# KiCad board Ortholith.kicad_pcb
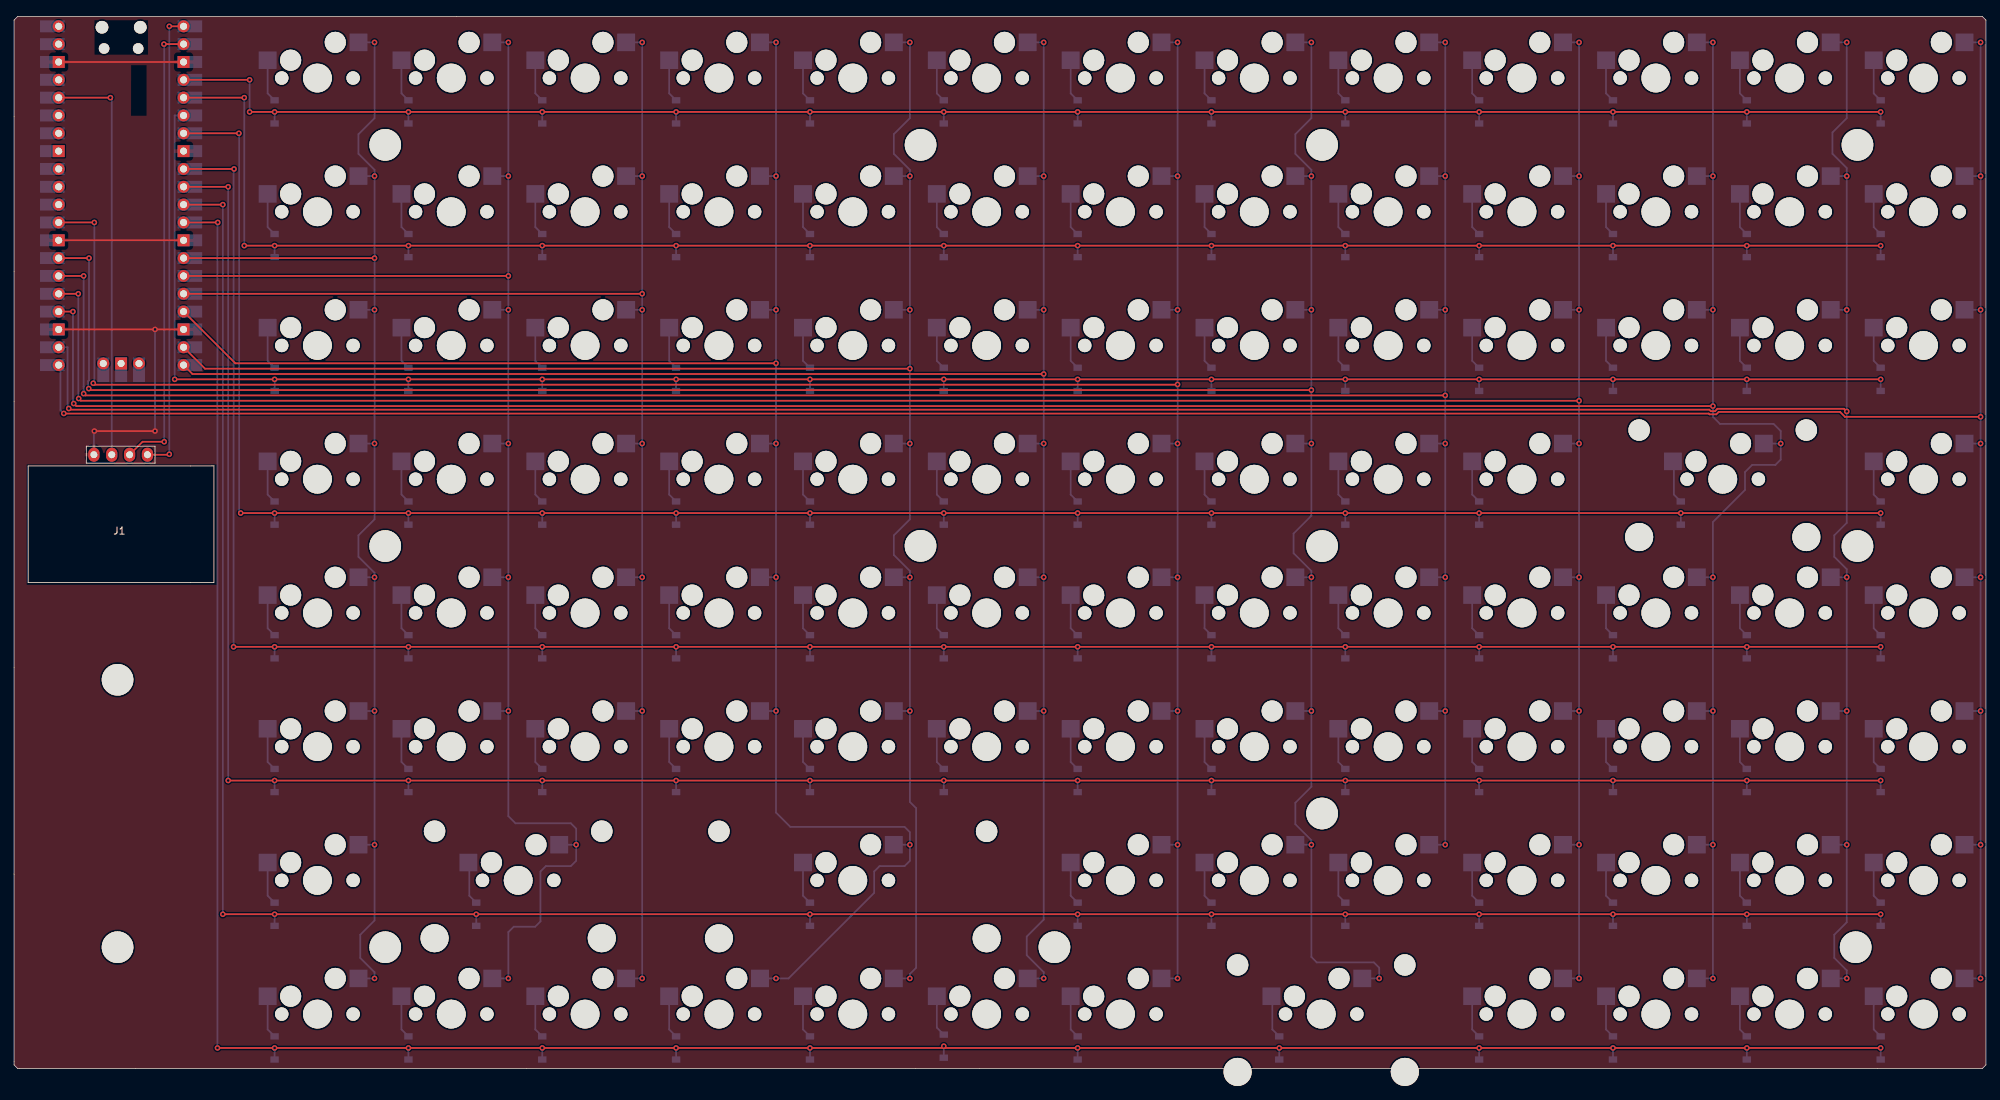
[diagram p0: board, top side]
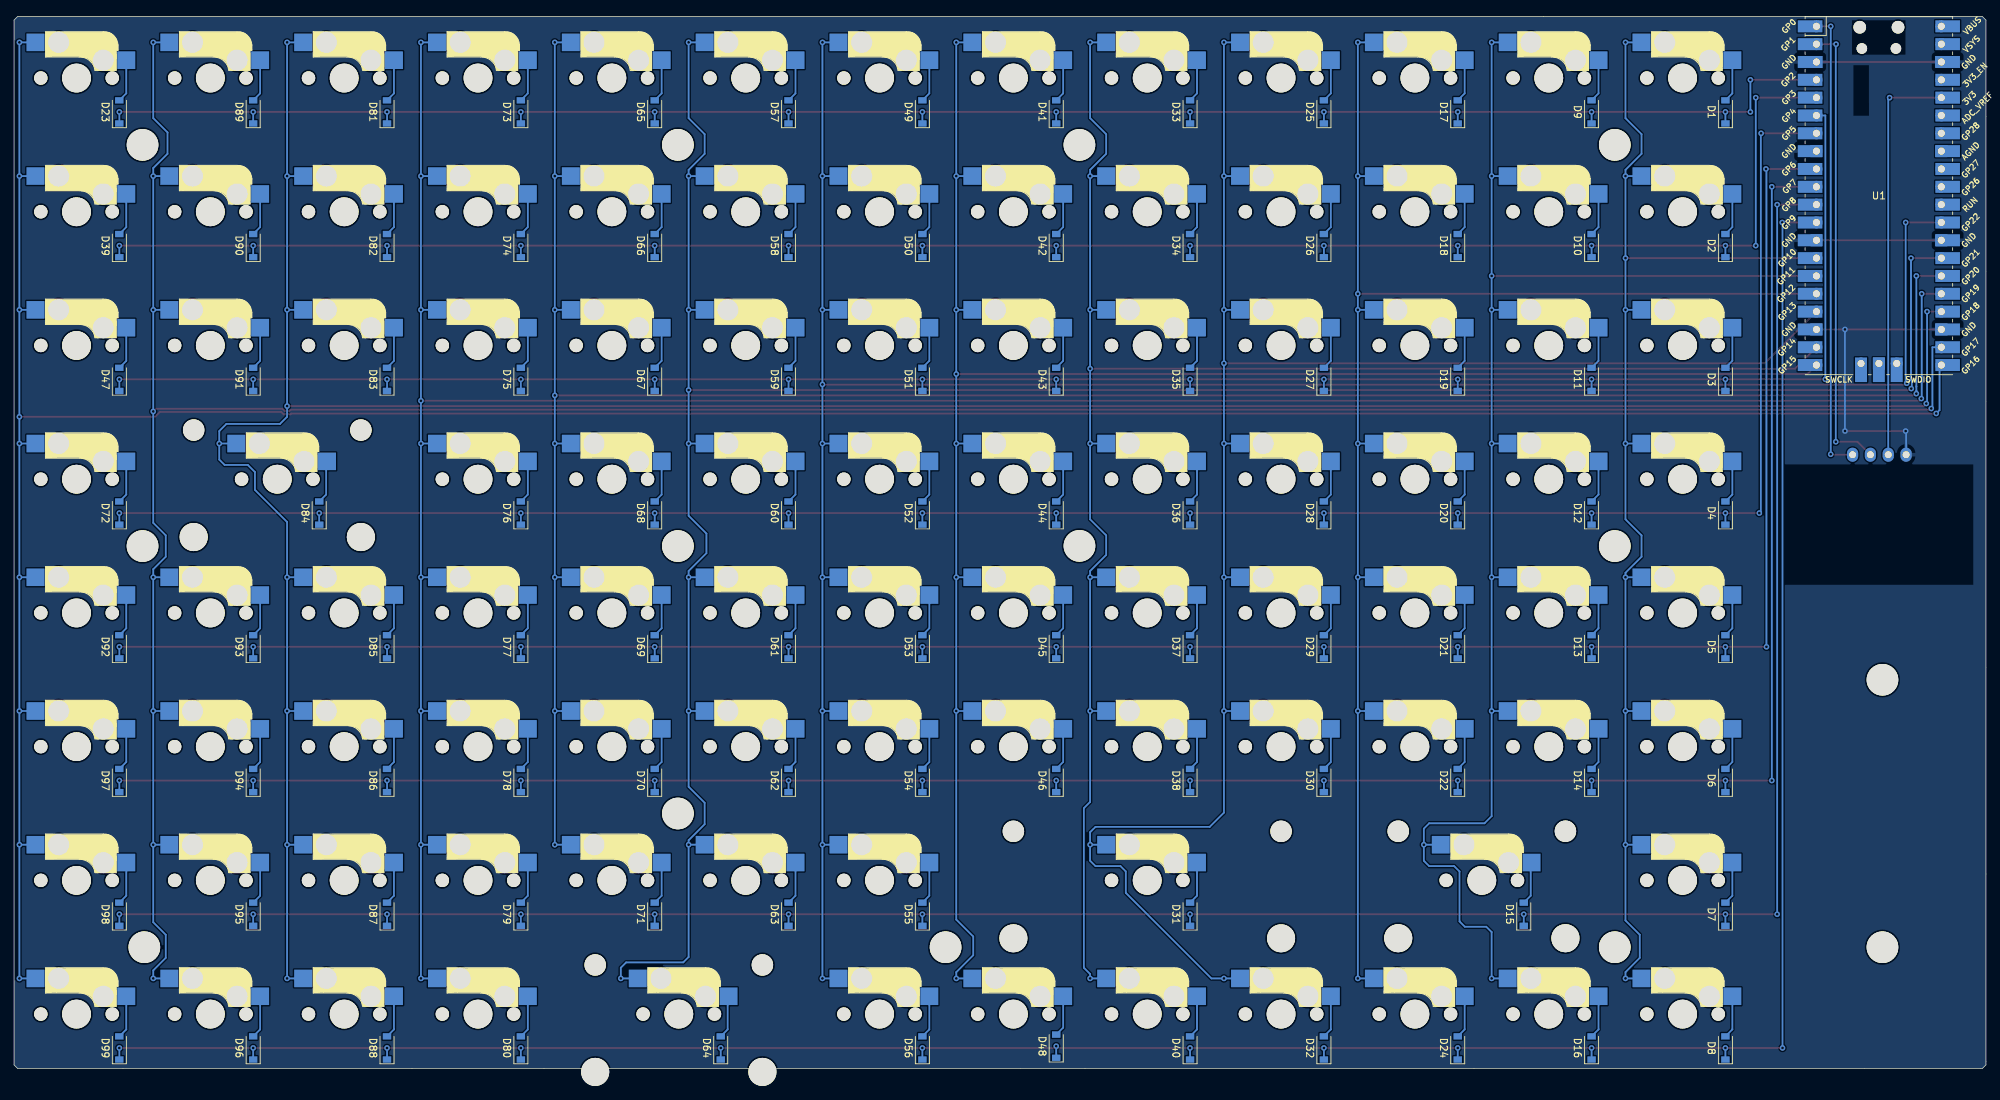
[diagram p1: board, bottom side, seen from below]

Outline 280.67 x 149.86 mm; copper layers: Top, Bottom. Coordinates in mm from the lower left corner of the outline.
Outline path: 0,149.35 0,0.51 0.51,0 280.16,0 280.67,0.51 280.67,149.35 280.16,149.86 0.51,149.86 0,149.35

## Placement (name value [footprint] x y rotation side)
D1  1N4148W  [D_SOD-123]  37.08 136.27 90 bottom
D2  1N4148W  [D_SOD-123]  37.08 117.22 90 bottom
D3  1N4148W  [D_SOD-123]  37.08 98.17 90 bottom
D4  1N4148W  [D_SOD-123]  37.08 79.12 90 bottom
D5  1N4148W  [D_SOD-123]  37.08 60.07 90 bottom
D6  1N4148W  [D_SOD-123]  37.08 41.02 90 bottom
D7  1N4148W  [D_SOD-123]  37.08 21.97 90 bottom
D8  1N4148W  [D_SOD-123]  37.08 2.92 90 bottom
D9  1N4148W  [D_SOD-123]  56.13 136.27 90 bottom
D10  1N4148W  [D_SOD-123]  56.13 117.22 90 bottom
D11  1N4148W  [D_SOD-123]  56.13 98.17 90 bottom
D12  1N4148W  [D_SOD-123]  56.13 79.12 90 bottom
D13  1N4148W  [D_SOD-123]  56.13 60.07 90 bottom
D14  1N4148W  [D_SOD-123]  56.13 41.02 90 bottom
D15  1N4148W  [D_SOD-123]  65.79 21.97 90 bottom
D16  1N4148W  [D_SOD-123]  56.13 2.92 90 bottom
D17  1N4148W  [D_SOD-123]  75.18 136.27 90 bottom
D18  1N4148W  [D_SOD-123]  75.18 117.22 90 bottom
D19  1N4148W  [D_SOD-123]  75.18 98.17 90 bottom
D20  1N4148W  [D_SOD-123]  75.18 79.12 90 bottom
D21  1N4148W  [D_SOD-123]  75.18 60.07 90 bottom
D22  1N4148W  [D_SOD-123]  75.18 41.02 90 bottom
D23  1N4148W  [D_SOD-123]  265.68 136.27 90 bottom
D24  1N4148W  [D_SOD-123]  75.18 2.92 90 bottom
D25  1N4148W  [D_SOD-123]  94.23 136.27 90 bottom
D26  1N4148W  [D_SOD-123]  94.23 117.22 90 bottom
D27  1N4148W  [D_SOD-123]  94.23 98.17 90 bottom
D28  1N4148W  [D_SOD-123]  94.23 79.12 90 bottom
D29  1N4148W  [D_SOD-123]  94.23 60.07 90 bottom
D30  1N4148W  [D_SOD-123]  94.23 41.02 90 bottom
D31  1N4148W  [D_SOD-123]  113.28 21.97 90 bottom
D32  1N4148W  [D_SOD-123]  94.23 2.92 90 bottom
D33  1N4148W  [D_SOD-123]  113.28 136.27 90 bottom
D34  1N4148W  [D_SOD-123]  113.28 117.22 90 bottom
D35  1N4148W  [D_SOD-123]  113.28 98.17 90 bottom
D36  1N4148W  [D_SOD-123]  113.28 79.12 90 bottom
D37  1N4148W  [D_SOD-123]  113.28 60.07 90 bottom
D38  1N4148W  [D_SOD-123]  113.28 41.02 90 bottom
D39  1N4148W  [D_SOD-123]  265.68 117.22 90 bottom
D40  1N4148W  [D_SOD-123]  113.28 2.92 90 bottom
D41  1N4148W  [D_SOD-123]  132.33 136.27 90 bottom
D42  1N4148W  [D_SOD-123]  132.33 117.22 90 bottom
D43  1N4148W  [D_SOD-123]  132.33 98.17 90 bottom
D44  1N4148W  [D_SOD-123]  132.33 79.12 90 bottom
D45  1N4148W  [D_SOD-123]  132.33 60.07 90 bottom
D46  1N4148W  [D_SOD-123]  132.33 41.02 90 bottom
D47  1N4148W  [D_SOD-123]  265.68 98.17 90 bottom
D48  1N4148W  [D_SOD-123]  132.33 3.17 90 bottom
D49  1N4148W  [D_SOD-123]  151.38 136.27 90 bottom
D50  1N4148W  [D_SOD-123]  151.38 117.22 90 bottom
D51  1N4148W  [D_SOD-123]  151.38 98.17 90 bottom
D52  1N4148W  [D_SOD-123]  151.38 79.12 90 bottom
D53  1N4148W  [D_SOD-123]  151.38 60.07 90 bottom
D54  1N4148W  [D_SOD-123]  151.38 41.02 90 bottom
D55  1N4148W  [D_SOD-123]  151.38 21.97 90 bottom
D56  1N4148W  [D_SOD-123]  151.38 2.92 90 bottom
D57  1N4148W  [D_SOD-123]  170.43 136.27 90 bottom
D58  1N4148W  [D_SOD-123]  170.43 117.22 90 bottom
D59  1N4148W  [D_SOD-123]  170.43 98.17 90 bottom
D60  1N4148W  [D_SOD-123]  170.43 79.12 90 bottom
D61  1N4148W  [D_SOD-123]  170.43 60.07 90 bottom
D62  1N4148W  [D_SOD-123]  170.43 41.02 90 bottom
D63  1N4148W  [D_SOD-123]  170.43 21.97 90 bottom
D64  1N4148W  [D_SOD-123]  180.09 2.92 90 bottom
D65  1N4148W  [D_SOD-123]  189.48 136.27 90 bottom
D66  1N4148W  [D_SOD-123]  189.48 117.22 90 bottom
D67  1N4148W  [D_SOD-123]  189.48 98.17 90 bottom
D68  1N4148W  [D_SOD-123]  189.48 79.12 90 bottom
D69  1N4148W  [D_SOD-123]  189.48 60.07 90 bottom
D70  1N4148W  [D_SOD-123]  189.48 41.02 90 bottom
D71  1N4148W  [D_SOD-123]  189.48 21.97 90 bottom
D72  1N4148W  [D_SOD-123]  265.68 79.12 90 bottom
D73  1N4148W  [D_SOD-123]  208.53 136.27 90 bottom
D74  1N4148W  [D_SOD-123]  208.53 117.22 90 bottom
D75  1N4148W  [D_SOD-123]  208.53 98.17 90 bottom
D76  1N4148W  [D_SOD-123]  208.53 79.12 90 bottom
D77  1N4148W  [D_SOD-123]  208.53 60.07 90 bottom
D78  1N4148W  [D_SOD-123]  208.53 41.02 90 bottom
D79  1N4148W  [D_SOD-123]  208.53 21.97 90 bottom
D80  1N4148W  [D_SOD-123]  208.53 2.92 90 bottom
D81  1N4148W  [D_SOD-123]  227.58 136.27 90 bottom
D82  1N4148W  [D_SOD-123]  227.58 117.22 90 bottom
D83  1N4148W  [D_SOD-123]  227.58 98.17 90 bottom
D84  1N4148W  [D_SOD-123]  237.24 79.12 90 bottom
D85  1N4148W  [D_SOD-123]  227.58 60.07 90 bottom
D86  1N4148W  [D_SOD-123]  227.58 41.02 90 bottom
D87  1N4148W  [D_SOD-123]  227.58 21.97 90 bottom
D88  1N4148W  [D_SOD-123]  227.58 2.92 90 bottom
D89  1N4148W  [D_SOD-123]  246.63 136.27 90 bottom
D90  1N4148W  [D_SOD-123]  246.63 117.22 90 bottom
D91  1N4148W  [D_SOD-123]  246.63 98.17 90 bottom
D92  1N4148W  [D_SOD-123]  265.68 60.07 90 bottom
D93  1N4148W  [D_SOD-123]  246.63 60.07 90 bottom
D94  1N4148W  [D_SOD-123]  246.63 41.02 90 bottom
D95  1N4148W  [D_SOD-123]  246.63 21.97 90 bottom
D96  1N4148W  [D_SOD-123]  246.63 2.92 90 bottom
D97  1N4148W  [D_SOD-123]  265.68 41.02 90 bottom
D98  1N4148W  [D_SOD-123]  265.68 21.97 90 bottom
D99  1N4148W  [D_SOD-123]  265.68 2.92 90 bottom
G***  -  [LOGO]  15.49 37.59 0 top
G***#2  -  [LOGO]  14.48 37.59 180 bottom
J1  OLED  [128x64OLED]  14.99 76.83 0 top
REF**  -  [SW_Cherry_MX_2.00u_PCB]  188.59 12.83 0 top
REF**#2  -  [MountingHole_4.5mm]  262.13 17.27 0 top
REF**#3  -  [MountingHole_4.5mm]  186.18 131.57 0 top
REF**#4  -  [MountingHole_4.5mm]  14.73 55.37 0 top
REF**#5  -  [SW_Cherry_MX_2.00u_PCB]  245.75 89.03 0 top
REF**#6  -  [MountingHole_4.5mm]  129.03 131.57 0 top
REF**#7  -  [MountingHole_4.5mm]  186.18 74.42 0 top
REF**#8  -  [MountingHole_4.5mm]  14.73 17.27 0 top
REF**#9  3U  [MXOnly-3U]  119.38 26.8 0 top
REF**#10  -  [MountingHole_4.5mm]  148.08 17.27 0 top
REF**#11  -  [SW_Cherry_MX_2.00u_PCB]  74.3 31.88 0 top
REF**#12  -  [MountingHole_4.5mm]  262.38 74.42 0 top
REF**#13  -  [MountingHole_4.5mm]  52.83 17.27 0 top
REF**#14  -  [MountingHole_4.5mm]  262.38 131.57 0 top
REF**#15  -  [MountingHole_4.5mm]  52.83 74.42 0 top
REF**#16  -  [MountingHole_4.5mm]  186.18 36.32 0 top
REF**#17  -  [MountingHole_4.5mm]  52.83 131.57 0 top
REF**#18  -  [MountingHole_4.5mm]  129.03 74.45 0 top
SW1  1U  [CherryMX_Hotswap]  43.18 141.1 0 top
SW2  1U  [CherryMX_Hotswap]  43.18 122.05 0 top
SW3  1U  [CherryMX_Hotswap]  43.18 103 0 top
SW4  1U  [CherryMX_Hotswap]  43.18 83.95 0 top
SW5  1U  [CherryMX_Hotswap]  43.18 64.9 0 top
SW6  1U  [CherryMX_Hotswap]  43.18 45.85 0 top
SW7  1U  [CherryMX_Hotswap]  43.18 26.8 0 top
SW8  1U  [CherryMX_Hotswap]  43.18 7.75 0 top
SW9  1U  [CherryMX_Hotswap]  62.23 141.1 0 top
SW10  1U  [CherryMX_Hotswap]  62.23 122.05 0 top
SW11  1U  [CherryMX_Hotswap]  62.23 103 0 top
SW12  1U  [CherryMX_Hotswap]  62.23 83.95 0 top
SW13  1U  [CherryMX_Hotswap]  62.23 64.9 0 top
SW14  1U  [CherryMX_Hotswap]  62.23 45.85 0 top
SW15  1U  [CherryMX_Hotswap]  271.78 141.1 0 top
SW15-2u1  2U  [CherryMX_Hotswap]  71.75 26.8 0 top
SW16  1U  [CherryMX_Hotswap]  62.23 7.75 0 top
SW17  1U  [CherryMX_Hotswap]  81.28 141.1 0 top
SW18  1U  [CherryMX_Hotswap]  81.28 122.05 0 top
SW19  1U  [CherryMX_Hotswap]  81.28 103 0 top
SW20  1U  [CherryMX_Hotswap]  81.28 83.95 0 top
SW21  1U  [CherryMX_Hotswap]  81.28 64.9 0 top
SW22  1U  [CherryMX_Hotswap]  81.28 45.85 0 top
SW23  1U  [CherryMX_Hotswap]  271.78 122.05 0 top
SW24  1U  [CherryMX_Hotswap]  81.28 7.75 0 top
SW25  1U  [CherryMX_Hotswap]  100.33 141.1 0 top
SW26  1U  [CherryMX_Hotswap]  100.33 122.05 0 top
SW27  1U  [CherryMX_Hotswap]  100.33 103 0 top
SW28  1U  [CherryMX_Hotswap]  100.33 83.95 0 top
SW29  1U  [CherryMX_Hotswap]  100.33 64.9 0 top
SW30  1U  [CherryMX_Hotswap]  100.33 45.85 0 top
SW31  1U  [CherryMX_Hotswap]  271.78 103 0 top
SW31-3U1  3U  [CherryMX_Hotswap]  119.38 26.8 0 top
SW32  1U  [CherryMX_Hotswap]  100.33 7.75 0 top
SW33  1U  [CherryMX_Hotswap]  119.38 141.1 0 top
SW34  1U  [CherryMX_Hotswap]  119.38 122.05 0 top
SW35  1U  [CherryMX_Hotswap]  119.38 103 0 top
SW36  1U  [CherryMX_Hotswap]  119.38 83.95 0 top
SW37  1U  [CherryMX_Hotswap]  119.38 64.9 0 top
SW38  1U  [CherryMX_Hotswap]  119.38 45.85 0 top
SW39  1U  [CherryMX_Hotswap]  271.78 83.95 0 top
SW40  1U  [CherryMX_Hotswap]  119.38 7.75 0 top
SW41  1U  [CherryMX_Hotswap]  138.43 141.1 0 top
SW42  1U  [CherryMX_Hotswap]  138.43 122.05 0 top
SW43  1U  [CherryMX_Hotswap]  138.43 103 0 top
SW44  1U  [CherryMX_Hotswap]  138.43 83.95 0 top
SW45  1U  [CherryMX_Hotswap]  138.43 64.9 0 top
SW46  1U  [CherryMX_Hotswap]  138.43 45.85 0 top
SW47  1U  [CherryMX_Hotswap]  271.78 64.9 0 top
SW48  1U  [CherryMX_Hotswap]  138.43 7.75 0 top
SW49  1U  [CherryMX_Hotswap]  157.48 141.1 0 top
SW50  1U  [CherryMX_Hotswap]  157.48 122.05 0 top
SW51  1U  [CherryMX_Hotswap]  157.48 103 0 top
SW52  1U  [CherryMX_Hotswap]  157.48 83.95 0 top
SW53  1U  [CherryMX_Hotswap]  157.48 64.9 0 top
SW54  1U  [CherryMX_Hotswap]  157.48 45.85 0 top
SW55  1U  [CherryMX_Hotswap]  157.48 26.8 0 top
SW56  1U  [CherryMX_Hotswap]  157.48 7.75 0 top
SW57  1U  [CherryMX_Hotswap]  176.53 141.1 0 top
SW58  1U  [CherryMX_Hotswap]  176.53 122.05 0 top
SW59  1U  [CherryMX_Hotswap]  176.53 103 0 top
SW60  1U  [CherryMX_Hotswap]  176.53 83.95 0 top
SW61  1U  [CherryMX_Hotswap]  176.53 64.9 0 top
SW62  1U  [CherryMX_Hotswap]  176.53 45.85 0 top
SW63  1U  [CherryMX_Hotswap]  176.53 26.8 0 top
SW64  1U  [CherryMX_Hotswap]  271.78 45.85 0 top
SW64-2U1  2U  [CherryMX_Hotswap]  186.06 7.75 0 top
SW65  1U  [CherryMX_Hotswap]  195.58 141.1 0 top
SW66  1U  [CherryMX_Hotswap]  195.58 122.05 0 top
SW67  1U  [CherryMX_Hotswap]  195.58 103 0 top
SW68  1U  [CherryMX_Hotswap]  195.58 83.95 0 top
SW69  1U  [CherryMX_Hotswap]  195.58 64.9 0 top
SW70  1U  [CherryMX_Hotswap]  195.58 45.85 0 top
SW71  1U  [CherryMX_Hotswap]  195.58 26.8 0 top
SW72  1U  [CherryMX_Hotswap]  271.78 26.8 0 top
SW73  1U  [CherryMX_Hotswap]  214.63 141.1 0 top
SW74  1U  [CherryMX_Hotswap]  214.63 122.05 0 top
SW75  1U  [CherryMX_Hotswap]  214.63 103 0 top
SW76  1U  [CherryMX_Hotswap]  214.63 83.95 0 top
SW77  1U  [CherryMX_Hotswap]  214.63 64.9 0 top
SW78  1U  [CherryMX_Hotswap]  214.63 45.85 0 top
SW79  1U  [CherryMX_Hotswap]  214.63 26.8 0 top
SW80  1U  [CherryMX_Hotswap]  214.63 7.75 0 top
SW81  1U  [CherryMX_Hotswap]  233.68 141.1 0 top
SW82  1U  [CherryMX_Hotswap]  233.68 122.05 0 top
SW83  1U  [CherryMX_Hotswap]  233.68 103 0 top
SW84  1U  [CherryMX_Hotswap]  271.78 7.75 0 top
SW84-2U1  2U  [CherryMX_Hotswap]  243.2 83.95 0 top
SW85  1U  [CherryMX_Hotswap]  233.68 64.9 0 top
SW86  1U  [CherryMX_Hotswap]  233.68 45.85 0 top
SW87  1U  [CherryMX_Hotswap]  233.68 26.8 0 top
SW88  1U  [CherryMX_Hotswap]  233.68 7.75 0 top
SW89  1U  [CherryMX_Hotswap]  252.73 141.1 0 top
SW90  1U  [CherryMX_Hotswap]  252.73 122.05 0 top
SW91  1U  [CherryMX_Hotswap]  252.73 103 0 top
SW93  1U  [CherryMX_Hotswap]  252.73 64.9 0 top
SW94  1U  [CherryMX_Hotswap]  252.73 45.85 0 top
SW95  1U  [CherryMX_Hotswap]  252.73 26.8 0 top
SW96  1U  [CherryMX_Hotswap]  252.73 7.75 0 top
U1  Pico  [RPi_Pico_SMD_TH]  15.24 124.33 180 bottom

## Library data of the parts
D1-D99 = -: LCSC: C81598

## Footprints (pads in the part's own frame, mm; a bottom-side part is the same pattern mirrored in y, then rotated)
128x64OLED
  oval 1.6x2 hole 1: 1(-3.62,10.6) 2(-1.08,10.6) 3(1.46,10.6) 4(4,10.6)
CherryMX_Hotswap
  round 1.9 hole 1.9 unplated: (-5.08,0) (5.08,0)
  round 3 hole 3 unplated: (-3.81,2.54) (2.54,5.08)
  round 4.1 hole 4.1 unplated: (0,0)
  rect 2.55x2.5 smd far side: 1(-7.085,2.54) 2(5.842,5.08)
D_SOD-123
  rect 0.9x1.2 smd: 1(-1.65,0) 2(1.65,0)
MountingHole_4.5mm
  round 4.5 hole 4.5 unplated: (0,0)
MXOnly-3U
  round 3.048 hole 3.048 unplated: (-19.05,6.985) (19.05,6.985)
  round 3.988 hole 3.988 unplated: (-19.05,-8.255) (19.05,-8.255)
RPi_Pico_SMD_TH
  oval 1.8x1.8 hole 1.8 unplated: (-2.725,24) (2.725,24)
  oval 1.5x1.5 hole 1.5 unplated: (-2.425,20.97) (2.425,20.97)
  oval 1.7x1.7 hole 1.02: 1(-8.89,24.13) 2(-8.89,21.59) 4(-8.89,16.51) 5(-8.89,13.97) 6(-8.89,11.43) 7(-8.89,8.89) 9(-8.89,3.81) 10(-8.89,1.27) 11(-8.89,-1.27) 12(-8.89,-3.81) 14(-8.89,-8.89) 15(-8.89,-11.43) 16(-8.89,-13.97) 17(-8.89,-16.51) 19(-8.89,-21.59) 20(-8.89,-24.13) 21(8.89,-24.13) 22(8.89,-21.59) 24(8.89,-16.51) 25(8.89,-13.97) 26(8.89,-11.43) 27(8.89,-8.89) 29(8.89,-3.81) 30(8.89,-1.27) 31(8.89,1.27) 32(8.89,3.81) 34(8.89,8.89) 35(8.89,11.43) 36(8.89,13.97) 37(8.89,16.51) 39(8.89,21.59) 40(8.89,24.13) 41(-2.54,-23.9) 43(2.54,-23.9)
  rect 3.5x1.7 smd: 1(-8.89,24.13) 2(-8.89,21.59) 3(-8.89,19.05) 4(-8.89,16.51) 5(-8.89,13.97) 6(-8.89,11.43) 7(-8.89,8.89) 8(-8.89,6.35) 9(-8.89,3.81) 10(-8.89,1.27) 11(-8.89,-1.27) 12(-8.89,-3.81) 13(-8.89,-6.35) 14(-8.89,-8.89) 15(-8.89,-11.43) 16(-8.89,-13.97) 17(-8.89,-16.51) 18(-8.89,-19.05) 19(-8.89,-21.59) 20(-8.89,-24.13) 21(8.89,-24.13) 22(8.89,-21.59) 23(8.89,-19.05) 24(8.89,-16.51) 25(8.89,-13.97) 26(8.89,-11.43) 27(8.89,-8.89) 28(8.89,-6.35) 29(8.89,-3.81) 30(8.89,-1.27) 31(8.89,1.27) 32(8.89,3.81) 33(8.89,6.35) 34(8.89,8.89) 35(8.89,11.43) 36(8.89,13.97) 37(8.89,16.51) 38(8.89,19.05) 39(8.89,21.59) 40(8.89,24.13)
  rect 1.7x1.7 hole 1.02: 3(-8.89,19.05) 8(-8.89,6.35) 13(-8.89,-6.35) 18(-8.89,-19.05) 23(8.89,-19.05) 28(8.89,-6.35) 33(8.89,6.35) 38(8.89,19.05) 42(0,-23.9)
  rect 1.7x3.5 smd: 41(-2.54,-23.9) 42(0,-23.9) 43(2.54,-23.9)
SW_Cherry_MX_2.00u_PCB
  round 3.05 hole 3.05 unplated: (-14.44,1.92) (9.36,1.92)
  round 4 hole 4 unplated: (-14.44,-13.32) (9.36,-13.32)

## Nets
3V3: J1.2 U1.36
GND: J1.1 U1.3 U1.8 U1.13 U1.18 U1.23 U1.28 U1.38
Col0: SW1.2 SW2.2 SW3.2 SW4.2 SW5.2 SW6.2 SW7.2 SW8.2 U1.14
Col1: SW9.2 SW10.2 SW11.2 SW12.2 SW13.2 SW14.2 SW15-2u1.2 SW16.2 U1.15
Col2: SW17.2 SW18.2 SW19.2 SW20.2 SW21.2 SW22.2 SW24.2 U1.16
Col3: SW25.2 SW26.2 SW27.2 SW28.2 SW29.2 SW30.2 SW31-3U1.2 SW32.2 U1.17
Col4: SW33.2 SW34.2 SW35.2 SW36.2 SW37.2 SW38.2 SW40.2 U1.19
Col5: SW41.2 SW42.2 SW43.2 SW44.2 SW45.2 SW46.2 SW48.2 U1.20
Col6: SW49.2 SW50.2 SW51.2 SW52.2 SW53.2 SW54.2 SW55.2 SW56.2 U1.29
Col7: SW57.2 SW58.2 SW59.2 SW60.2 SW61.2 SW62.2 SW63.2 SW64-2U1.2 U1.27
Col8: SW65.2 SW66.2 SW67.2 SW68.2 SW69.2 SW70.2 SW71.2 U1.26
Col9: SW73.2 SW74.2 SW75.2 SW76.2 SW77.2 SW78.2 SW79.2 SW80.2 U1.25
Col10: SW81.2 SW82.2 SW83.2 SW84-2U1.2 SW85.2 SW86.2 SW87.2 SW88.2 U1.24
Col11: SW89.2 SW90.2 SW91.2 SW93.2 SW94.2 SW95.2 SW96.2 U1.22
Col12: SW15.2 SW23.2 SW31.2 SW39.2 SW47.2 SW64.2 SW72.2 SW84.2 U1.21
Row0: D1.1 D9.1 D17.1 D23.1 D25.1 D33.1 D41.1 D49.1 D57.1 D65.1 D73.1 D81.1 D89.1 U1.4
Row1: D2.1 D10.1 D18.1 D26.1 D34.1 D39.1 D42.1 D50.1 D58.1 D66.1 D74.1 D82.1 D90.1 U1.5
Row2: D3.1 D11.1 D19.1 D27.1 D35.1 D43.1 D47.1 D51.1 D59.1 D67.1 D75.1 D83.1 D91.1 U1.6
Row3: D4.1 D12.1 D20.1 D28.1 D36.1 D44.1 D52.1 D60.1 D68.1 D72.1 D76.1 D84.1 U1.7
Row4: D5.1 D13.1 D21.1 D29.1 D37.1 D45.1 D53.1 D61.1 D69.1 D77.1 D85.1 D92.1 D93.1 U1.9
Row5: D6.1 D14.1 D22.1 D30.1 D38.1 D46.1 D54.1 D62.1 D70.1 D78.1 D86.1 D94.1 D97.1 U1.10
Row6: D7.1 D15.1 D31.1 D55.1 D63.1 D71.1 D79.1 D87.1 D95.1 D98.1 U1.11
Row7: D8.1 D16.1 D24.1 D32.1 D40.1 D48.1 D56.1 D64.1 D80.1 D88.1 D96.1 D99.1 U1.12
SCL: J1.3 U1.2
SDA: J1.4 U1.1
Net-(D1-Pad2): D1.2 SW1.1
Net-(D2-Pad2): D2.2 SW2.1
Net-(D3-Pad2): D3.2 SW3.1
Net-(D4-Pad2): D4.2 SW4.1
Net-(D5-Pad2): D5.2 SW5.1
Net-(D6-Pad2): D6.2 SW6.1
Net-(D7-Pad2): D7.2 SW7.1
Net-(D8-Pad2): D8.2 SW8.1
Net-(D9-Pad2): D9.2 SW9.1
Net-(D10-Pad2): D10.2 SW10.1
Net-(D11-Pad2): D11.2 SW11.1
Net-(D12-Pad2): D12.2 SW12.1
Net-(D13-Pad2): D13.2 SW13.1
Net-(D14-Pad2): D14.2 SW14.1
Net-(D15-Pad2): D15.2 SW15-2u1.1
Net-(D16-Pad2): D16.2 SW16.1
Net-(D17-Pad2): D17.2 SW17.1
Net-(D18-Pad2): D18.2 SW18.1
Net-(D19-Pad2): D19.2 SW19.1
Net-(D20-Pad2): D20.2 SW20.1
Net-(D21-Pad2): D21.2 SW21.1
Net-(D22-Pad2): D22.2 SW22.1
Net-(D23-Pad2): D23.2 SW15.1
Net-(D24-Pad2): D24.2 SW24.1
Net-(D25-Pad2): D25.2 SW25.1
Net-(D26-Pad2): D26.2 SW26.1
Net-(D27-Pad2): D27.2 SW27.1
Net-(D28-Pad2): D28.2 SW28.1
Net-(D29-Pad2): D29.2 SW29.1
Net-(D30-Pad2): D30.2 SW30.1
Net-(D31-Pad2): D31.2 SW31-3U1.1
Net-(D32-Pad2): D32.2 SW32.1
Net-(D33-Pad2): D33.2 SW33.1
Net-(D34-Pad2): D34.2 SW34.1
Net-(D35-Pad2): D35.2 SW35.1
Net-(D36-Pad2): D36.2 SW36.1
Net-(D37-Pad2): D37.2 SW37.1
Net-(D38-Pad2): D38.2 SW38.1
Net-(D39-Pad2): D39.2 SW23.1
Net-(D40-Pad2): D40.2 SW40.1
Net-(D41-Pad2): D41.2 SW41.1
Net-(D42-Pad2): D42.2 SW42.1
Net-(D43-Pad2): D43.2 SW43.1
Net-(D44-Pad2): D44.2 SW44.1
Net-(D45-Pad2): D45.2 SW45.1
Net-(D46-Pad2): D46.2 SW46.1
Net-(D47-Pad2): D47.2 SW31.1
Net-(D48-Pad2): D48.2 SW48.1
Net-(D49-Pad2): D49.2 SW49.1
Net-(D50-Pad2): D50.2 SW50.1
Net-(D51-Pad2): D51.2 SW51.1
Net-(D52-Pad2): D52.2 SW52.1
Net-(D53-Pad2): D53.2 SW53.1
Net-(D54-Pad2): D54.2 SW54.1
Net-(D55-Pad2): D55.2 SW55.1
Net-(D56-Pad2): D56.2 SW56.1
Net-(D57-Pad2): D57.2 SW57.1
Net-(D58-Pad2): D58.2 SW58.1
Net-(D59-Pad2): D59.2 SW59.1
Net-(D60-Pad2): D60.2 SW60.1
Net-(D61-Pad2): D61.2 SW61.1
Net-(D62-Pad2): D62.2 SW62.1
Net-(D63-Pad2): D63.2 SW63.1
Net-(D64-Pad2): D64.2 SW64-2U1.1
Net-(D65-Pad2): D65.2 SW65.1
Net-(D66-Pad2): D66.2 SW66.1
Net-(D67-Pad2): D67.2 SW67.1
Net-(D68-Pad2): D68.2 SW68.1
Net-(D69-Pad2): D69.2 SW69.1
Net-(D70-Pad2): D70.2 SW70.1
Net-(D71-Pad2): D71.2 SW71.1
Net-(D72-Pad2): D72.2 SW39.1
Net-(D73-Pad2): D73.2 SW73.1
Net-(D74-Pad2): D74.2 SW74.1
Net-(D75-Pad2): D75.2 SW75.1
Net-(D76-Pad2): D76.2 SW76.1
Net-(D77-Pad2): D77.2 SW77.1
Net-(D78-Pad2): D78.2 SW78.1
Net-(D79-Pad2): D79.2 SW79.1
Net-(D80-Pad2): D80.2 SW80.1
Net-(D81-Pad2): D81.2 SW81.1
Net-(D82-Pad2): D82.2 SW82.1
Net-(D83-Pad2): D83.2 SW83.1
Net-(D84-Pad2): D84.2 SW84-2U1.1
Net-(D85-Pad2): D85.2 SW85.1
Net-(D86-Pad2): D86.2 SW86.1
Net-(D87-Pad2): D87.2 SW87.1
Net-(D88-Pad2): D88.2 SW88.1
Net-(D89-Pad2): D89.2 SW89.1
Net-(D90-Pad2): D90.2 SW90.1
Net-(D91-Pad2): D91.2 SW91.1
Net-(D92-Pad2): D92.2 SW47.1
Net-(D93-Pad2): D93.2 SW93.1
Net-(D94-Pad2): D94.2 SW94.1
Net-(D95-Pad2): D95.2 SW95.1
Net-(D96-Pad2): D96.2 SW96.1
Net-(D97-Pad2): D97.2 SW64.1
Net-(D98-Pad2): D98.2 SW72.1
Net-(D99-Pad2): D99.2 SW84.1

Pads without a net: U1 30 31 32 33 34 35 37 39 40 41 42 43

## Via types
v1: diameter 0.8, hole 0.4, Top to Bottom, 246 vias

## Routing (per net, layer and track width the routed paths; a pad name or vN(x,y) marks a point on that pad's centre or on a via; arc(x,y) is an arc through that point)
3V3: length 58.3
  Top w0.25: v1(13.72,138.3) U1.36
  Bottom w0.25: v1(13.72,138.3) 13.91,138.11 J1.2
GND: length 79.9
  Top w0.25: U1.23 v1(20.07,105.28) U1.18 ; U1.38 U1.3 ; v1(11.43,90.8) v1(20.07,90.8) ; U1.28 U1.13
  Bottom w0.25: v1(20.07,90.8) v1(20.07,105.28) ; J1.1 11.37,90.74 v1(11.43,90.8)
Col0: length 184.3
  Top w0.25: U1.14 v1(51.31,115.44)
  Bottom w0.25: SW5.2 v1(51.31,69.98) ; v1(51.31,69.98) v1(51.31,50.93) ; v1(51.31,69.98) 51.31,70.61 49.02,72.9 49.02,75.95 51.31,78.23 v1(51.31,89.03) ; SW4.2 v1(51.31,89.03) ; v1(51.31,89.03) v1(51.31,108.08) ; v1(51.31,50.93) v1(51.31,31.88) ; v1(51.31,50.93) SW6.2 ; v1(51.31,31.88) 51.31,21.08 49.28,19.05 49.28,15.75 51.31,13.72 v1(51.31,12.83) SW8.2 ; v1(51.31,31.88) SW7.2 ; v1(51.31,127.13) v1(51.31,115.44) v1(51.31,108.08) ; v1(51.31,127.13) SW2.2 ; v1(51.31,127.13) 51.31,128.02 49.02,130.3 49.02,133.1 51.31,135.38 v1(51.31,146.18) SW1.2 ; v1(51.31,108.08) SW3.2
Col1: length 214.3
  Top w0.25: U1.15 v1(70.36,112.9)
  Bottom w0.25: 77.72,31.88 v1(80.01,31.88) ; v1(80.01,31.88) 80.01,34.16 79.25,34.92 71.37,34.92 70.36,35.94 v1(70.36,112.9) v1(70.36,146.18) SW9.2 ; v1(80.01,31.88) 80.01,29.59 79.25,28.83 75.69,28.83 74.93,28.07 74.93,20.95 74.17,20.19 71.12,20.19 70.36,19.43 v1(70.36,12.83) SW16.2 ; SW11.2 v1(70.36,108.08) ; SW12.2 v1(70.36,89.03) ; SW14.2 v1(70.36,50.93) ; SW13.2 v1(70.36,69.98) ; SW10.2 v1(70.36,127.13)
Col2: length 214.6
  Top w0.25: U1.16 v1(89.41,110.36)
  Bottom w0.25: SW20.2 v1(89.41,89.03) ; SW21.2 v1(89.41,69.98) ; SW22.2 v1(89.41,50.93) ; SW24.2 v1(89.41,12.83) v1(89.41,110.36) v1(89.41,146.18) SW17.2 ; SW18.2 v1(89.41,127.13) ; SW19.2 v1(89.41,108.08)
Col3: length 267.4
  Top w0.25: U1.17 31.5,100.46 v1(108.46,100.46)
  Bottom w0.25: SW28.2 v1(108.46,89.03) ; SW29.2 v1(108.46,69.98) ; v1(108.46,50.93) 108.46,36.45 110.49,34.42 126.75,34.42 127.51,33.65 v1(127.51,31.88) ; v1(108.46,50.93) SW30.2 ; v1(108.46,50.93) v1(108.46,100.46) v1(108.46,146.18) SW25.2 ; SW27.2 v1(108.46,108.08) ; SW32.2 v1(108.46,12.83) 110.24,12.83 122.43,25.02 122.43,28.07 123.19,28.83 126.75,28.83 127.51,29.59 v1(127.51,31.88) ; SW26.2 v1(108.46,127.13) ; v1(127.51,31.88) 125.22,31.88
Col4: length 258.5
  Top w0.25: U1.19 27.18,99.69 v1(127.51,99.69)
  Bottom w0.25: SW37.2 v1(127.51,69.98) ; v1(127.51,69.98) 127.51,70.87 125.22,73.15 125.22,75.95 127.51,78.23 v1(127.51,89.03) ; v1(127.51,69.98) v1(127.51,50.93) ; v1(127.51,89.03) v1(127.51,99.69) v1(127.51,108.08) ; v1(127.51,89.03) SW36.2 ; v1(127.51,127.13) v1(127.51,108.08) ; v1(127.51,127.13) 127.51,128.02 125.22,130.3 125.22,133.1 127.51,135.38 v1(127.51,146.18) SW33.2 ; v1(127.51,127.13) SW34.2 ; v1(127.51,108.08) SW35.2 ; SW40.2 v1(127.51,12.83) 127.51,13.46 128.4,14.35 128.4,37.08 127.51,37.97 v1(127.51,50.93) ; v1(127.51,50.93) SW38.2
Col5: length 274.3
  Top w0.25: U1.20 25.4,98.93 v1(146.56,98.93)
  Bottom w0.25: SW44.2 v1(146.56,89.03) ; v1(146.56,89.03) v1(146.56,69.98) ; v1(146.56,89.03) v1(146.56,98.93) v1(146.56,108.08) ; v1(146.56,69.98) v1(146.56,50.93) ; v1(146.56,69.98) SW45.2 ; v1(146.56,108.08) v1(146.56,127.13) ; v1(146.56,108.08) SW43.2 ; v1(146.56,127.13) v1(146.56,146.18) SW41.2 ; v1(146.56,127.13) SW42.2 ; v1(146.56,50.93) 146.56,21.21 144.14,18.8 144.14,16.13 146.56,13.72 v1(146.56,12.83) SW48.2 ; v1(146.56,50.93) SW46.2
Col6: length 334.2
  Top w0.25: v1(11.27,97.62) 11.48,97.41 165.57,97.41 v1(165.61,97.45) ; v1(11.43,120.52) U1.29
  Bottom w0.25: SW55.2 v1(165.61,31.88) ; 165.61,97.41 v1(165.61,12.83) SW56.2 ; 165.61,97.41 v1(165.61,97.45) ; 165.61,97.41 v1(165.61,146.18) SW49.2 ; SW53.2 v1(165.61,69.98) ; SW51.2 v1(165.61,108.08) ; v1(11.43,120.52) 11.43,97.77 v1(11.27,97.62) ; SW52.2 v1(165.61,89.03) ; SW50.2 v1(165.61,127.13) ; SW54.2 v1(165.61,50.93)
Col7: length 363.4
  Top w0.25: v1(10.63,96.85) 10.84,96.65 v1(184.66,96.65) ; v1(10.67,115.44) U1.27
  Bottom w0.25: v1(184.66,69.98) 184.66,70.87 182.12,73.41 182.12,76.2 184.66,78.74 v1(184.66,89.03) ; v1(184.66,69.98) SW61.2 ; v1(184.66,69.98) v1(184.66,50.93) ; v1(184.66,108.08) v1(184.66,127.13) ; v1(184.66,108.08) v1(184.66,96.65) v1(184.66,89.03) ; v1(184.66,108.08) SW59.2 ; v1(184.66,127.13) SW58.2 ; v1(184.66,127.13) 184.66,128.02 182.37,130.3 182.37,133.1 184.66,135.38 v1(184.66,146.18) SW57.2 ; SW63.2 v1(184.66,31.88) ; v1(184.66,31.88) 184.66,15.87 185.42,15.11 193.55,15.11 194.31,14.35 v1(194.31,12.83) 192.02,12.83 ; v1(184.66,31.88) 184.66,32.51 182.37,34.8 182.37,37.85 184.66,40.13 v1(184.66,50.93) ; v1(184.66,89.03) SW60.2 ; v1(10.67,115.44) 10.67,98.04 10.55,97.92 10.55,96.93 v1(10.63,96.85) ; v1(184.66,50.93) SW62.2
Col8: length 344.5
  Top w0.25: v1(9.91,112.9) U1.26 ; v1(9.91,96.14) 10.16,95.88 v1(203.71,95.88)
  Bottom w0.25: SW70.2 v1(203.71,50.93) ; SW69.2 v1(203.71,69.98) ; v1(9.91,112.9) 9.91,97.16 9.9,97.15 9.9,96.55 9.91,96.55 v1(9.91,96.14) ; SW65.2 v1(203.71,146.18) v1(203.71,31.88) SW71.2 ; SW66.2 v1(203.71,127.13) ; SW68.2 v1(203.71,89.03) ; SW67.2 v1(203.71,108.08)
Col9: length 383.1
  Top w0.25: v1(222.76,95.12) 9.51,95.12 v1(9.2,95.43) ; v1(9.14,110.36) U1.25
  Bottom w0.25: SW80.2 v1(222.76,12.83) v1(222.76,146.18) SW73.2 ; SW76.2 v1(222.76,89.03) ; SW78.2 v1(222.76,50.93) ; SW77.2 v1(222.76,69.98) ; v1(9.2,95.43) 9.14,95.49 v1(9.14,110.36) ; SW74.2 v1(222.76,127.13) ; SW79.2 v1(222.76,31.88) ; SW75.2 v1(222.76,108.08)
Col10: length 414.7
  Top w0.25: v1(8.38,107.82) U1.24 ; v1(8.49,94.72) 8.86,94.36 v1(241.81,94.36)
  Bottom w0.25: SW81.2 v1(241.81,146.18) v1(241.81,108.08) ; v1(8.38,107.82) 8.38,94.83 v1(8.49,94.72) ; v1(241.81,69.98) 241.81,77.85 246.38,82.42 246.38,84.96 247.4,85.98 250.7,85.98 251.46,86.74 v1(251.46,89.03) ; v1(241.81,69.98) SW85.2 ; v1(241.81,69.98) v1(241.81,12.83) SW88.2 ; SW86.2 v1(241.81,50.93) ; SW87.2 v1(241.81,31.88) ; 249.17,89.03 v1(251.46,89.03) ; v1(251.46,89.03) 251.46,90.8 250.44,91.82 242.82,91.82 241.81,92.84 v1(241.81,108.08) ; v1(241.81,108.08) SW83.2 ; SW82.2 v1(241.81,127.13)
Col11: length 417.6
  Top w0.25: v1(7.79,94.02) 7.95,93.85 241.29,93.85 241.51,93.64 242.11,93.64 242.45,93.98 260.48,93.98 v1(260.86,93.6)
  Bottom w0.25: U1.22 7.62,102.74 7.62,94.18 v1(7.79,94.02) ; v1(260.86,108.08) v1(260.86,93.6) 260.86,77.72 259.08,75.95 259.08,72.9 260.86,71.12 v1(260.86,69.98) ; v1(260.86,108.08) SW91.2 ; v1(260.86,108.08) v1(260.86,127.13) ; SW96.2 v1(260.86,12.83) 260.86,13.97 259.08,15.75 259.08,19.05 260.86,20.83 v1(260.86,31.88) ; v1(260.86,50.93) v1(260.86,31.88) ; v1(260.86,50.93) v1(260.86,69.98) ; v1(260.86,50.93) SW94.2 ; v1(260.86,31.88) SW95.2 ; v1(260.86,69.98) SW93.2 ; SW90.2 v1(260.86,127.13) ; v1(260.86,127.13) 260.86,128.27 258.83,130.3 258.83,133.35 260.86,135.38 v1(260.86,146.18) SW89.2
Col12: length 432.1
  Top w0.25: v1(7.08,93.31) 7.1,93.29 241.21,93.29 241.32,93.19 242.29,93.19 242.64,93.53 259.9,93.53 260.6,92.84 v1(279.91,92.84)
  Bottom w0.25: SW47.2 v1(279.91,69.98) ; SW72.2 v1(279.91,31.88) ; SW84.2 v1(279.91,12.83) v1(279.91,146.18) SW15.2 ; SW23.2 v1(279.91,127.13) ; SW39.2 v1(279.91,89.03) ; U1.21 6.6,99.95 6.6,93.79 v1(7.08,93.31) ; SW31.2 v1(279.91,108.08) ; SW64.2 v1(279.91,50.93)
Row0: length 267.6
  Top w0.25: v1(33.53,140.84) U1.4 ; v1(265.68,136.27) v1(37.08,136.27) v1(33.53,136.27)
  Bottom w0.25: D33.1 v1(113.28,136.27) ; D81.1 v1(227.58,136.27) ; D25.1 v1(94.23,136.27) ; v1(33.53,136.27) v1(33.53,140.84) ; D65.1 v1(189.48,136.27) ; D89.1 v1(246.63,136.27) ; D49.1 v1(151.38,136.27) ; D57.1 v1(170.43,136.27) ; D1.1 v1(37.08,136.27) ; D9.1 v1(56.13,136.27) ; D23.1 v1(265.68,136.27) ; D41.1 v1(132.33,136.27) ; D73.1 v1(208.53,136.27) ; D17.1 v1(75.18,136.27)
Row1: length 284.1
  Top w0.25: v1(32.77,117.22) v1(37.08,117.22) v1(265.68,117.22) ; v1(32.77,138.3) U1.5
  Bottom w0.25: D74.1 v1(208.53,117.22) ; v1(32.77,117.22) v1(32.77,138.3) ; D2.1 v1(37.08,117.22) ; D58.1 v1(170.43,117.22) ; D66.1 v1(189.48,117.22) ; D42.1 v1(132.33,117.22) ; D82.1 v1(227.58,117.22) ; D18.1 v1(75.18,117.22) ; D39.1 v1(265.68,117.22) ; D26.1 v1(94.23,117.22) ; D10.1 v1(56.13,117.22) ; D50.1 v1(151.38,117.22) ; D34.1 v1(113.28,117.22) ; D90.1 v1(246.63,117.22)
Row2: length 303.1
  Top w0.25: v1(265.68,98.17) v1(37.08,98.17) v1(22.86,98.17)
  Bottom w0.25: D75.1 v1(208.53,98.17) ; U1.6 22.86,135.76 v1(22.86,98.17) ; D91.1 v1(246.63,98.17) ; D27.1 v1(94.23,98.17) ; D67.1 v1(189.48,98.17) ; D3.1 v1(37.08,98.17) ; D19.1 v1(75.18,98.17) ; D11.1 v1(56.13,98.17) ; D35.1 v1(113.28,98.17) ; D51.1 v1(151.38,98.17) ; D83.1 v1(227.58,98.17) ; D59.1 v1(170.43,98.17) ; D43.1 v1(132.33,98.17) ; D47.1 v1(265.68,98.17)
Row3: length 315.3
  Top w0.25: v1(32,133.22) U1.7 ; v1(265.68,79.12) v1(37.08,79.12) v1(32.26,79.12)
  Bottom w0.25: D76.1 v1(208.53,79.12) ; D4.1 v1(37.08,79.12) ; D52.1 v1(151.38,79.12) ; D60.1 v1(170.43,79.12) ; D84.1 v1(237.24,79.12) ; D28.1 v1(94.23,79.12) ; D20.1 v1(75.18,79.12) ; D68.1 v1(189.48,79.12) ; D72.1 v1(265.68,79.12) ; v1(32.26,79.12) 32.04,79.34 32.04,133.18 v1(32,133.22) ; D12.1 v1(56.13,79.12) ; D44.1 v1(132.33,79.12) ; D36.1 v1(113.28,79.12)
Row4: length 331.2
  Top w0.25: v1(31.24,60.07) v1(37.08,60.07) v1(265.68,60.07) ; v1(31.32,128.14) U1.9
  Bottom w0.25: D13.1 v1(56.13,60.07) ; D21.1 v1(75.18,60.07) ; D85.1 v1(227.58,60.07) ; D29.1 v1(94.23,60.07) ; D45.1 v1(132.33,60.07) ; D53.1 v1(151.38,60.07) ; D37.1 v1(113.28,60.07) ; D93.1 v1(246.63,60.07) ; D5.1 v1(37.08,60.07) ; D77.1 v1(208.53,60.07) ; D92.1 v1(265.68,60.07) ; v1(31.24,60.07) 31.24,128.07 v1(31.32,128.14) ; D61.1 v1(170.43,60.07) ; D69.1 v1(189.48,60.07)
Row5: length 347.6
  Top w0.25: v1(30.48,125.6) U1.10 ; v1(30.48,41.02) v1(37.08,41.02) v1(265.68,41.02)
  Bottom w0.25: D62.1 v1(170.43,41.02) ; D86.1 v1(227.58,41.02) ; D54.1 v1(151.38,41.02) ; D38.1 v1(113.28,41.02) ; D22.1 v1(75.18,41.02) ; D14.1 v1(56.13,41.02) ; D97.1 v1(265.68,41.02) ; D70.1 v1(189.48,41.02) ; D46.1 v1(132.33,41.02) ; v1(30.48,41.02) v1(30.48,125.6) ; D6.1 v1(37.08,41.02) ; D30.1 v1(94.23,41.02) ; D94.1 v1(246.63,41.02) ; D78.1 v1(208.53,41.02)
Row6: length 359.1
  Top w0.25: v1(265.68,21.97) v1(37.08,21.97) v1(29.72,21.97) ; v1(29.72,123.06) U1.11
  Bottom w0.25: D71.1 v1(189.48,21.97) ; D98.1 v1(265.68,21.97) ; D95.1 v1(246.63,21.97) ; D63.1 v1(170.43,21.97) ; D15.1 v1(65.79,21.97) ; D87.1 v1(227.58,21.97) ; D79.1 v1(208.53,21.97) ; v1(29.72,21.97) v1(29.72,123.06) ; D7.1 v1(37.08,21.97) ; D55.1 v1(151.38,21.97) ; D31.1 v1(113.28,21.97)
Row7: length 379
  Top w0.25: v1(28.99,120.52) U1.12 ; v1(28.96,2.92) v1(37.08,2.92) v1(265.68,2.92)
  Bottom w0.25: D8.1 v1(37.08,2.92) ; D88.1 v1(227.58,2.92) ; D64.1 v1(180.09,2.92) ; v1(28.99,120.52) 28.96,120.48 v1(28.96,2.92) ; D99.1 v1(265.68,2.92) ; D40.1 v1(113.28,2.92) ; D16.1 v1(56.13,2.92) ; D80.1 v1(208.53,2.92) ; D96.1 v1(246.63,2.92) ; D48.1 v1(132.33,3.17) ; D32.1 v1(94.23,2.92) ; D24.1 v1(75.18,2.92) ; D56.1 v1(151.38,2.92)
SCL: length 65.1
  Top w0.25: v1(21.34,145.92) U1.2 ; v1(21.37,89.28) 18.29,89.28 J1.3
  Bottom w0.25: v1(21.37,89.28) 21.37,145.88 v1(21.34,145.92)
SDA: length 66.1
  Top w0.25: v1(22.1,87.5) 22.03,87.43 J1.4 ; v1(22.1,148.46) U1.1
  Bottom w0.25: v1(22.1,87.5) v1(22.1,148.46)
Net-(D1-Pad2): length 6.1
  Bottom w0.25: SW1.1 36.09,138.91 D1.2
Net-(D2-Pad2): length 6.1
  Bottom w0.25: D2.2 36.09,119.86 SW2.1
Net-(D3-Pad2): length 6.1
  Bottom w0.25: D3.2 36.09,100.81 SW3.1
Net-(D4-Pad2): length 6.1
  Bottom w0.25: D4.2 36.09,81.76 SW4.1
Net-(D5-Pad2): length 6.1
  Bottom w0.25: SW5.1 36.09,62.71 D5.2
Net-(D6-Pad2): length 6.1
  Bottom w0.25: SW6.1 36.09,43.66 D6.2
Net-(D7-Pad2): length 6.1
  Bottom w0.25: SW7.1 36.09,24.61 D7.2
Net-(D8-Pad2): length 6.1
  Bottom w0.25: SW8.1 36.09,5.56 D8.2
Net-(D9-Pad2): length 6.1
  Bottom w0.25: D9.2 55.14,138.91 SW9.1
Net-(D10-Pad2): length 6.1
  Bottom w0.25: SW10.1 55.14,119.86 D10.2
Net-(D11-Pad2): length 6.1
  Bottom w0.25: SW11.1 55.14,100.81 D11.2
Net-(D12-Pad2): length 6.1
  Bottom w0.25: D12.2 55.14,81.76 SW12.1
Net-(D13-Pad2): length 6.1
  Bottom w0.25: SW13.1 55.14,62.71 D13.2
Net-(D14-Pad2): length 6.1
  Bottom w0.25: D14.2 55.14,43.66 SW14.1
Net-(D15-Pad2): length 6.1
  Bottom w0.25: 64.8,29.34 64.8,24.61 D15.2
Net-(D16-Pad2): length 6.1
  Bottom w0.25: D16.2 55.14,5.56 SW16.1
Net-(D17-Pad2): length 6.1
  Bottom w0.25: SW17.1 74.2,138.91 D17.2
Net-(D18-Pad2): length 6.1
  Bottom w0.25: SW18.1 74.2,119.86 D18.2
Net-(D19-Pad2): length 6.1
  Bottom w0.25: SW19.1 74.2,100.81 D19.2
Net-(D20-Pad2): length 6.1
  Bottom w0.25: SW20.1 74.2,81.76 D20.2
Net-(D21-Pad2): length 6.1
  Bottom w0.25: D21.2 74.2,62.71 SW21.1
Net-(D22-Pad2): length 6.1
  Bottom w0.25: SW22.1 74.2,43.66 D22.2
Net-(D23-Pad2): length 6.1
  Bottom w0.25: D23.2 264.69,138.91 SW15.1
Net-(D24-Pad2): length 6.1
  Bottom w0.25: SW24.1 74.2,5.56 D24.2
Net-(D25-Pad2): length 6.1
  Bottom w0.25: SW25.1 93.24,138.91 D25.2
Net-(D26-Pad2): length 6.1
  Bottom w0.25: SW26.1 93.24,119.86 D26.2
Net-(D27-Pad2): length 6.1
  Bottom w0.25: SW27.1 93.24,100.81 D27.2
Net-(D28-Pad2): length 6.1
  Bottom w0.25: D28.2 93.24,81.76 SW28.1
Net-(D29-Pad2): length 6.1
  Bottom w0.25: SW29.1 93.24,62.71 D29.2
Net-(D30-Pad2): length 6.1
  Bottom w0.25: D30.2 93.24,43.66 SW30.1
Net-(D31-Pad2): length 6.1
  Bottom w0.25: 112.3,29.34 112.3,24.61 D31.2
Net-(D32-Pad2): length 6.1
  Bottom w0.25: SW32.1 93.24,5.56 D32.2
Net-(D33-Pad2): length 6.1
  Bottom w0.25: D33.2 112.3,138.91 SW33.1
Net-(D34-Pad2): length 6.1
  Bottom w0.25: SW34.1 112.3,119.86 D34.2
Net-(D35-Pad2): length 6.1
  Bottom w0.25: D35.2 112.3,100.81 SW35.1
Net-(D36-Pad2): length 6.1
  Bottom w0.25: D36.2 112.3,81.76 SW36.1
Net-(D37-Pad2): length 6.1
  Bottom w0.25: D37.2 112.3,62.71 SW37.1
Net-(D38-Pad2): length 6.1
  Bottom w0.25: D38.2 112.3,43.66 SW38.1
Net-(D39-Pad2): length 6.1
  Bottom w0.25: SW23.1 264.69,119.86 D39.2
Net-(D40-Pad2): length 6.1
  Bottom w0.25: SW40.1 112.3,5.56 D40.2
Net-(D41-Pad2): length 6.1
  Bottom w0.25: D41.2 131.34,138.91 SW41.1
Net-(D42-Pad2): length 6.1
  Bottom w0.25: SW42.1 131.34,119.86 D42.2
Net-(D43-Pad2): length 6.1
  Bottom w0.25: SW43.1 131.34,100.81 D43.2
Net-(D44-Pad2): length 6.1
  Bottom w0.25: D44.2 131.34,81.76 SW44.1
Net-(D45-Pad2): length 6.1
  Bottom w0.25: SW45.1 131.34,62.71 D45.2
Net-(D46-Pad2): length 6.1
  Bottom w0.25: SW46.1 131.34,43.66 D46.2
Net-(D47-Pad2): length 6.1
  Bottom w0.25: D47.2 264.69,100.81 SW31.1
Net-(D48-Pad2): length 5.9
  Bottom w0.25: D48.2 131.34,5.81 SW48.1
Net-(D49-Pad2): length 6.1
  Bottom w0.25: SW49.1 150.39,138.91 D49.2
Net-(D50-Pad2): length 6.1
  Bottom w0.25: SW50.1 150.39,119.86 D50.2
Net-(D51-Pad2): length 6.1
  Bottom w0.25: D51.2 150.39,100.81 SW51.1
Net-(D52-Pad2): length 6.1
  Bottom w0.25: SW52.1 150.39,81.76 D52.2
Net-(D53-Pad2): length 6.1
  Bottom w0.25: SW53.1 150.39,62.71 D53.2
Net-(D54-Pad2): length 6.1
  Bottom w0.25: D54.2 150.39,43.66 SW54.1
Net-(D55-Pad2): length 6.1
  Bottom w0.25: SW55.1 150.39,24.61 D55.2
Net-(D56-Pad2): length 6.1
  Bottom w0.25: D56.2 150.39,5.56 SW56.1
Net-(D57-Pad2): length 6.1
  Bottom w0.25: D57.2 169.44,138.91 169.44,143.64
Net-(D58-Pad2): length 6.1
  Bottom w0.25: D58.2 169.44,119.86 169.44,124.59
Net-(D59-Pad2): length 6.1
  Bottom w0.25: D59.2 169.44,100.81 169.44,105.54
Net-(D60-Pad2): length 6.1
  Bottom w0.25: 169.44,86.49 169.44,81.76 D60.2
Net-(D61-Pad2): length 6.1
  Bottom w0.25: D61.2 169.44,62.71 169.44,67.44
Net-(D62-Pad2): length 6.1
  Bottom w0.25: 169.44,48.39 169.44,43.66 D62.2
Net-(D63-Pad2): length 6.1
  Bottom w0.25: 169.44,29.34 169.44,24.61 D63.2
Net-(D64-Pad2): length 6.1
  Bottom w0.25: D64.2 179.1,5.56 179.1,10.29
Net-(D65-Pad2): length 6.1
  Bottom w0.25: D65.2 188.5,138.91 SW65.1
Net-(D66-Pad2): length 6.1
  Bottom w0.25: SW66.1 188.5,119.86 D66.2
Net-(D67-Pad2): length 6.1
  Bottom w0.25: D67.2 188.5,100.81 SW67.1
Net-(D68-Pad2): length 6.1
  Bottom w0.25: D68.2 188.5,81.76 SW68.1
Net-(D69-Pad2): length 6.1
  Bottom w0.25: D69.2 188.5,62.71 SW69.1
Net-(D70-Pad2): length 6.1
  Bottom w0.25: SW70.1 188.5,43.66 D70.2
Net-(D71-Pad2): length 6.1
  Bottom w0.25: D71.2 188.5,24.61 SW71.1
Net-(D72-Pad2): length 6.1
  Bottom w0.25: SW39.1 264.69,81.76 D72.2
Net-(D73-Pad2): length 6.1
  Bottom w0.25: SW73.1 207.54,138.91 D73.2
Net-(D74-Pad2): length 6.1
  Bottom w0.25: SW74.1 207.54,119.86 D74.2
Net-(D75-Pad2): length 6.1
  Bottom w0.25: SW75.1 207.54,100.81 D75.2
Net-(D76-Pad2): length 6.1
  Bottom w0.25: SW76.1 207.54,81.76 D76.2
Net-(D77-Pad2): length 6.1
  Bottom w0.25: SW77.1 207.54,62.71 D77.2
Net-(D78-Pad2): length 6.1
  Bottom w0.25: SW78.1 207.54,43.66 D78.2
Net-(D79-Pad2): length 6.1
  Bottom w0.25: D79.2 207.54,24.61 SW79.1
Net-(D80-Pad2): length 6.1
  Bottom w0.25: D80.2 207.54,5.56 SW80.1
Net-(D81-Pad2): length 6.1
  Bottom w0.25: 226.59,143.64 226.59,138.91 D81.2
Net-(D82-Pad2): length 6.1
  Bottom w0.25: D82.2 226.59,119.86 226.59,124.59
Net-(D83-Pad2): length 6.1
  Bottom w0.25: 226.59,105.54 226.59,100.81 D83.2
Net-(D84-Pad2): length 6.1
  Bottom w0.25: D84.2 236.25,81.76 236.25,86.49
Net-(D85-Pad2): length 6.1
  Bottom w0.25: D85.2 226.59,62.71 226.59,67.44
Net-(D86-Pad2): length 6.1
  Bottom w0.25: 226.59,48.39 226.59,43.66 D86.2
Net-(D87-Pad2): length 6.1
  Bottom w0.25: 226.59,29.34 226.59,24.61 D87.2
Net-(D88-Pad2): length 6.1
  Bottom w0.25: 226.59,10.29 226.59,5.56 D88.2
Net-(D89-Pad2): length 6.1
  Bottom w0.25: D89.2 245.64,138.91 SW89.1
Net-(D90-Pad2): length 6.1
  Bottom w0.25: SW90.1 245.64,119.86 D90.2
Net-(D91-Pad2): length 6.1
  Bottom w0.25: D91.2 245.64,100.81 SW91.1
Net-(D92-Pad2): length 6.1
  Bottom w0.25: D92.2 264.69,62.71 SW47.1
Net-(D93-Pad2): length 6.1
  Bottom w0.25: SW93.1 245.64,62.71 D93.2
Net-(D94-Pad2): length 6.1
  Bottom w0.25: D94.2 245.64,43.66 SW94.1
Net-(D95-Pad2): length 6.1
  Bottom w0.25: D95.2 245.64,24.61 SW95.1
Net-(D96-Pad2): length 6.1
  Bottom w0.25: D96.2 245.64,5.56 SW96.1
Net-(D97-Pad2): length 6.1
  Bottom w0.25: D97.2 264.69,43.66 SW64.1
Net-(D98-Pad2): length 6.1
  Bottom w0.25: D98.2 264.69,24.61 SW72.1
Net-(D99-Pad2): length 6.1
  Bottom w0.25: SW84.1 264.69,5.56 D99.2

## Copper pours and planes (outline as drawn; the poured copper is in the pictures)
GND on Top, Bottom: 324.87,177.29 324.85,-27.51 -45.22,-27.44 -45.25,177.33
